# KiCad board AMLDC-2044B p3.kicad_pcb (continued)
## Routing (per net, layer and track width the routed paths; a pad name or vN(x,y) marks a point on that pad's centre or on a via; arc(x,y) is an arc through that point) (continued)
K6p7: length 5.6
  Top w0.15: UK6.7 358.16,206.43 358.52,205.48 358.68,205.1 358.71,205.1 358.85,204.76 359.19,204.18 359.5,203.4 360.03,202.66 360.38,201.64
K6p14: length 5.9
  Top w0.15: UK6.14 348.21,215.52 348.33,215.86 348.68,216.52 348.88,216.73 349.28,217.08 349.61,217.14 350.58,217.22 351.61,217.22 351.88,216.94
K6p15: length 2.7
  Top w0.15: 345.53,216.94 345.67,216.8 UK6.15
K7p2: length 12.6
  Top w0.15: UK7.2 382.22,206.72 382.26,207.34 382.07,208.19 381.79,209.36 381.67,210.7 381.13,212.86 381.13,214.99 381.32,216.23 381.25,218.44 v1(381.06,218.63)
K7p9: length 33.1
  Top w0.15: 394.62,181.04 393.93,188.57 393.65,192.82 393.45,195.84 393.28,197.54 393.34,200.14 393.37,201.62 393.49,203.37 393.54,209.52 393.34,211.29 393.25,212.07 392.79,212.97 UK7.9
K7p12: length 7.7
  Top w0.15: 390.77,209.8 390.76,209.82 v1(390.76,209.85) 390.72,209.85 390.43,210.14 389.84,210.47 389.35,210.55 388.87,210.88 387.88,211.13 387.08,211.68 386.27,212.07 384.76,213.23 UK7.12
K7p13: length 9.3
  Top w0.15: 387.3,206.24 386.61,208.02 385.66,209.22 385.17,209.81 384.25,210.63 383.65,211.41 383.44,211.76 382.97,212.58 UK7.13
K8p1: length 54
  Top w0.15: UK8.1 416.31,205.08 416.49,204.07 416.55,203.2 416.83,200.75 417.02,199.43 417.29,198.01 417.74,195.4 418.12,194.15 418.48,192.81 418.73,191.68 419.08,190.47 419.89,187.21 420.4,184.75 420.82,183.48 421.16,181.52 421.75,179.65 422.3,177.52 422.83,175.84 423.23,173.94 423.4,173.05 423.55,172.32 424.47,169.18 424.56,168.41 424.75,167.73 424.71,167.75 424.96,166.93 425.33,165.92 425.2,165.43 425.2,164.6 425.82,163.66 426.35,162.64 427.04,162.11 427.51,161.9 428.42,161.46 429.07,161.34 430.2,161.26 431.48,161.79 432.28,162.89 432.82,164.6
K8p4: length 55.2
  Top w0.15: UK8.4 423.79,204.65 423.95,201.83 424.01,200.55 424.47,191.84 424.8,189.56 424.89,187.28 424.87,186.96 425.09,184.23 425.28,182.76 425.44,180.66 425.9,176.83 426.44,175.5 427.21,173.94 427.97,172.86 428.42,172.33 429.22,171.46 430.62,169.78 431.21,169.16 432.18,168.1 433.11,167.25 433.44,166.75 433.89,166.05 434.28,164.69 433.91,162.79 433.3,161.94 432.94,161.42 432.15,160.45 431.29,160.06 430.12,159.45 429.48,159.11 428.8,158.38 427.74,156.98
K8p13: length 5.3
  Top w0.15: UK8.13 418.45,212.69 418.3,212.11 418.11,211.22 417.96,210.79 417.51,209.58 417.23,209.06 417.23,209.06 v1(417.25,209.04) 417.23,209.02 417.23,208.88
L0p3: length 80.9
  Top w0.25: UL0.3 119.13,168.84 119.18,162.48 119.89,160.6 120.24,158.9 120.3,158.84 UM0.3 119.34,155.35 115.89,153.37 113.8,151.12 UN0.13 113.75,146.62 114.38,144.23 114.25,142.06 114.25,137.05 114.41,134.83 114.28,133.19 114.36,118.86 114.36,117.38 114.91,116.58 UP0.3 114.44,110.97 114.52,101.8 114.57,100.16 UR0.3
L0p6: length 80.1
  Top w0.25: UL0.6 127.71,171.91 126.74,168.24 126.8,162.42 126.96,161.61 127.26,160.18 127.92,158.54 UM0.6 127.41,155.18 122.41,150.75 122.18,150.45 121.87,149.65 121.58,143.63 120.82,141.85 UN0.5 121.69,136.59 121.99,133.56 121.88,118.43 122.45,117.05 UP0.6 122.41,111.83 121.8,109.06 121.83,109.03 121.83,101.99 122.14,100.2 UR0.6
L0p8: length 80.6
  Top w0.25: UR0.8 124.63,109.66 124.38,112.74 124.38,119.47 UP0.8 124.6,131.32 124.28,134.43 124.31,145.56 UN0.9 123,150.03 124.6,151.41 125.85,152.39 127.96,153.99 129.28,155.88 129.34,158.91 129.3,162.11 129.61,163.41 129.93,164.13 UM0.8 130.06,167.68 129.38,169.99 129.44,176.79 129.41,178.96 UL0.8
L0p10: length 7.6
  Top w0.25: UL0.10 UL0.5
L0p11: length 78.8
  Top w0.25: UL0.11 122.33,179.33 122.01,177.53 121.78,175.52 121.88,169.17 122.35,167.88 122.65,166.48 122.84,166.29 UM0.11 122.18,163.55 121.91,162.97 121.68,162.6 121.72,155.99 121.71,155.98 121.11,154.06 118.05,149.73 UN0.11 117.35,146.42 116.83,144.65 116.68,141.99 116.79,132.91 116.85,132.85 116.95,127.3 118,123.79 UP0.11 116.88,120.63 116.9,110.81 117.03,110.25 117.2,108.66 117.9,106.89 UR0.11
L0p13: length 7.7
  Top w0.25: UL0.13 117.87,178.81 117.95,178.73 117.87,178.65 UL0.2
L1p3: length 33.6
  Top w0.15: UN1.2 151.03,142.02 151.35,142.41 151.39,143.49 151.85,144.85 152.1,147.65 152.21,149.3 152.21,152.13 152.57,153.89 152.96,155.04 UM1.3 152.82,159.06 152.46,160.06 152.28,161.03 152.18,162.18 152.18,162.97 152.2,167.97 152.28,168.96 152.57,170.75 152.86,171.72 UL1.3
L1p10: length 50.4
  Top w0.15: 161.37,139.08 161.34,139.17 ; 161.34,139.17 161.15,139.66 UN1.6 ; 161.34,139.17 161.72,138.64 162.39,138.26 163.14,138.27 163.26,138.29 163.64,138.44 ; 159.59,175.95 159.08,178.93 158.69,180.06 UL1.10 ; 163.64,138.44 163.51,138.4 ; 163.64,138.44 164.14,138.69 164.81,139.63 164.61,143.61 164.64,144.45 164.58,150.28 163.74,152.06 162.73,153.29 162.18,155.36 162.12,159.37 162.02,159.47 161.96,160.57 161.21,161.41 159.69,163.39 UM1.10 158.69,166.24 159.2,167.82 159.59,169.6 159.72,171.12 159.57,176.11
L1p11: length 42.1
  Top w0.15: 154.62,151.2 154.71,150.54 154.71,147.35 154.61,147.26 154.61,144.89 ; 154.61,151.13 154.69,153.78 154.61,154.36 154.83,156.83 154.74,156.93 154.74,158.89 154.54,159.24 154.51,159.31 154.51,161.6 155.05,163.07 155.81,165.02 155.33,167.06 154.94,168.02 154.76,170.5 154.69,170.57 154.69,175.56 154.58,175.66 154.69,176.2 154.76,178.39 155.58,180.36 UL1.11 ; 154.61,145.03 154.51,143.78 153.86,142.48 153.24,141.83 UN1.3
L2p3: length 30.9
  Top w0.15: 199.83,153.18 v1(199.7,153.14) 198.07,153.4 195,153.5 192.42,153.5 190.94,154.06 189.89,154.99 189.29,155.88 UM2.1 189.22,159.9 189.58,161.53 189.91,163.04 189.91,164.57 189.96,164.62 189.96,167.33 190.04,167.41 190.95,169.27 191.31,169.83 193.07,171.91 193.37,173.61 UL2.3
L2p11: length 19
  Top w0.15: 196.7,189.8 196.57,187.13 196.37,184.74 196.27,184.22 UL2.11 ; 200.03,198.95 v1(200,199.04) 198.26,197.31 198.26,197.22 196.99,194.67 196.69,189.61
L3p3: length 78.6
  Top w0.15: UL3.3 233.97,173.78 233.54,172.62 233.2,171.92 232.82,170.53 232.75,169.77 232.76,166.56 ; UR3.3 233.67,99.31 233.55,99.57 233.05,101.33 232.86,102.23 232.79,103.33 232.76,104.7 232.82,107.18 232.79,108.29 232.99,112.04 233.9,114.36 UP3.3 233.49,116.83 232.75,118.42 232.64,120.82 232.73,121.82 232.74,122.87 232.73,123.28 232.73,129.51 232.7,129.54 232.77,140.17 232.86,142.61 232.93,144.08 232.98,145.19 232.19,147.71 UN3.13 231.53,148.33 231.82,150.16 232.05,150.95 232.82,152.98 233.21,154.01 233.94,156.33 233.9,156.37 UM3.3 233.77,158.55 233.43,158.88 233.04,159.96 232.76,161.31 232.76,166.72
L3p6: length 79.2
  Top w0.15: UR3.6 241.68,97.46 241.27,98.61 241.15,98.97 240.51,102.13 240.4,103.18 240.28,104.52 240.15,108.4 240.1,109.76 240.37,111.88 240.75,113.4 UP3.6 241.62,116.03 241.07,117.02 240.54,118.81 240.28,119.84 240.11,122.4 240.19,122.81 240.25,132.56 240.29,134.28 240.21,136.66 239.92,137.5 239.75,138.46 239.45,139.24 UN3.5 239.36,142.08 239.61,142.87 239.91,143.73 240.27,144.64 240.34,144.89 240.25,145.94 240.21,147.93 240.28,149.82 240.28,149.47 240.26,153.9 240.89,155.74 UM3.6 241.52,158.09 240.88,158.52 240.37,160.29 240.34,160.31 240.27,163.04 240.18,164.09 240.28,165.75 240.22,167.33 240.21,170.36 240.97,172.32 UL3.6
L3p8: length 78.2
  Top w0.15: UR3.8 243.89,106.9 243.13,109.81 243.06,110.82 242.93,111.32 242.85,113.93 242.67,119.58 243.24,121.33 UP3.8 243.58,126.31 243.34,128.23 243,131.42 242.98,133.25 242.92,135.04 242.82,135.76 242.81,139.3 242.74,140.17 242.76,144.88 242.01,147.14 UN3.9 241.56,149.59 241.76,150.13 242.01,150.87 242.67,154.16 242.76,156.91 242.77,158.5 242.73,159.72 242.76,160.53 242.71,160.95 243.27,162.87 UM3.8 244.06,165.64 243.31,166.49 243.04,168.19 242.73,169.17 242.8,170.83 242.83,172.08 242.88,172.13 242.83,177.84 243.43,179.77 UL3.8
L3p10: length 7.6
  Top w0.15: UL3.5 239.07,179.36 239.05,179.39 239.07,179.41 UL3.10
L3p11: length 78.2
  Top w0.15: UR3.11 236.54,106.5 236.34,106.97 235.99,108.24 235.7,109.65 235.41,111.59 235.31,112.78 235.26,119.55 235.9,121.9 UP3.11 236.33,124.63 236.16,124.95 235.73,129.47 235.6,130.27 235.51,133.05 235.45,133.93 235.34,138.95 235.25,143.99 235.39,145.65 UN3.11 236.48,149.69 236.15,150.11 235.69,152.21 235.26,153.92 235.3,159.74 235.34,160.39 235.34,161.76 235.97,163.66 UM3.11 236.22,165.08 236.22,166.07 235.38,167.64 235.24,169.31 235.27,171.06 235.28,178.35 235.6,179.85 235.9,180.71 UL3.11
L3p13: length 7.7
  Top w0.15: UL3.2 231.71,176.23 231.57,179.55 231.71,181.18 UL3.13
L4p3: length 59.2
  Top w0.15: 264.12,123.51 264.04,126.04 263.9,126.27 263.67,128.91 263.24,131.04 263.13,133.4 263.2,134.79 263.32,135.38 263.56,136.71 263.76,137.56 263.9,140.47 UN4.2 263.83,141.4 264.92,143.14 265.1,144.86 265.15,145.6 265.19,146.41 265.23,150.94 265.18,151.41 265.21,151.95 265.37,153.6 266.06,155.51 UM4.3 266.69,157.78 266.53,158.68 267.56,161.94 267.57,166.14 267.74,166.31 267.69,167.34 267.63,167.6 267.63,170.55 267.75,171.24 268.11,174.26 267.49,176.85 267.08,178.22 266.6,180.42 UL4.3
L4p4: length 74.8
  Top w0.15: UL4.4 269.37,179 269.52,178.55 269.82,175.91 270.02,174.86 270.15,168.95 270.17,168.93 270.17,166.18 270.19,166.16 270.19,165.75 ; UN4.7 276.03,141.77 275.71,142.95 274.05,144.62 274.05,144.84 273.78,144.56 273.43,144.56 272.92,143.79 272.74,142.54 272.79,142.24 272.7,142.11 272.62,140.74 272.72,137.84 272.7,137.82 273.02,135.63 273.5,132.73 274.1,130.82 274.53,128.46 274.7,127.66 275,125.97 275.13,125.32 275.13,123.71 275.06,123.65 275.19,122.96 275.21,119.8 274.81,118.47 274.61,117.76 274.25,116.78 274.18,115.49 UP4.6 ; 270.19,166.07 270.1,165.49 270.17,162.81 269.52,159.57 269.22,158.26 UM4.4 269.44,156.11 269.82,155.7 271.33,153.77 271.91,152.81 272.47,151.58 272.64,148.85 272.57,148.58 272.68,147.22 273.28,145.89 273.37,145.53 273.93,144.71
L4p10: length 75.2
  Top w0.15: 274.44,136.32 274.01,139.17 UN4.6 ; UL4.10 272.22,187.22 272.36,186.62 272.7,185.57 272.7,177.85 272.52,175.06 272.42,172.1 272.18,170.29 272.13,168.72 271.74,166.69 UM4.10 272.06,163.97 272.82,163.33 274.02,162.1 275.07,160.08 275.12,154.55 275.12,148.17 275.09,148.14 275.16,146.07 275.68,145.13 277.36,143.83 277.8,142.66 277.74,139.91 277.68,138.85 277.68,138.75 276.95,137.6 275.41,137.04 274.55,136.59 274.48,136.27 274.69,135.04 275.09,131.27 275.52,128.88 275.86,126.38 276.03,125.78 276.15,124.97 276.42,124.39 UP4.10
L4p11: length 49.2
  Top w0.15: UL4.11 268.84,187.69 268.38,186.7 267.96,184.99 267.85,183.95 267.85,183.26 267.91,178.96 268.35,177.48 268.87,175.45 269.06,174.48 269.15,173.05 269.12,173.03 269.26,171.73 269.34,170.94 269.26,170.4 269.1,167.34 268.69,165.97 UM4.11 268.91,163.97 268.82,162.84 268.37,161.38 268.07,160.18 267.89,159.58 267.72,159.08 267.68,158.77 267.47,156.53 267.72,154.43 267.75,152.51 267.75,147.13 267.72,146.56 267.51,144.84 267.22,143.69 267.12,143.05 266.66,141.93 UN4.3
L4p12: length 5
  Top w0.15: 266.42,193.86 266.45,193.83 266.45,193.79 v1(266.42,193.76) 266.45,193.73 UL4.12
L4p13: length 42.4
  Top w0.15: UM4.13 263.89,165.14 264.38,168.25 264.65,169.69 264.85,170.94 265.29,172.79 265.62,174.97 265.77,175.96 265.67,177.57 265.3,179.14 265.3,184.78 265.2,185.86 265.1,186.46 264.74,187.54 UL4.13 263.91,206.23 263.91,206.23 v1(263.91,206.37) 263.77,206.37 263.7,206.44
L6p12: length 37.2
  Top w0.15: 345.52,173.47 345.91,174.58 346.47,176.21 346.75,176.85 346.99,177.8 347.17,178.23 347.44,178.98 347.82,179.79 347.84,180.87 UL6.12 348.06,182.35 348.23,183 348.25,183.7 348.43,184.51 348.48,185.44 348.62,186.76 348.65,187.06 348.69,187.53 348.84,188.51 348.97,189.4 349.08,190.23 349.19,190.6 349.3,191.18 349.33,192.13 349.44,193.2 349.35,193.93 349.52,194.1 ; 349.52,194.1 349.57,194.15 v1(349.52,194.15) 349.52,194.1 ; 354.5,177.4 353.99,177.58 348.37,177.75 347.91,177.72 346.95,177.67 ; 354.5,177.4 354.35,177 354.16,176.43 353.84,175.78 353.61,174.98 353.41,174.77 353.26,174.3 353.14,173.47 ; 354.5,177.4 354.7,177.97 354.91,178.59 354.96,178.91 355.09,179.3 355.36,179.94 355.45,180.27 355.68,181.09
L7p1: length 17.9
  Top w0.15: UL7.1 379.73,172.01 379.99,171.06 380.49,169.61 381.02,168.57 381.47,167.31 382.1,166.09 382.38,164.92 381.87,164.41 381.9,163.37 380.91,160.53 380.56,159.45 380.34,158.86 380.34,158.77 380.11,158.23 379.33,156.79
L7p6: length 26.6
  Top w0.15: UL7.6 391.95,171.91 391.53,171.12 391.51,170.53 391.3,169.61 390.75,168.23 390.69,167.52 390.69,160.8 390.59,160.27 390.77,156.6 390.57,156.37 390.29,155.31 389.84,154.32 389.59,153.57 389.25,152.96 388.72,152.03 387.94,150.72 387.62,150 387.13,148.93 386.95,147.94
L7p10: length 16.8
  Top w0.15: 389.63,197.77 389.61,197.74 389.61,197.64 v1(389.66,197.59) 389.61,197.53 389.61,182.51 389.54,182.45 UL7.10
L7p11: length 14.6
  Top w0.15: UL7.11 387,182.5 387.23,182.73 387.23,195.34 v1(387.18,195.4) 387.23,195.45 387.23,195.47
L7p12: length 25.2
  Top w0.15: UL7.12 384.75,182.22 384.72,182.89 384.76,206.24
L7p13: length 11.3
  Top w0.15: UL7.13 382.24,182.73 382.72,184.31 382.72,184.84 382.85,186.42 383.03,187.71 382.95,189.03 v1(383.01,192.1) 383.11,192.12
M0p10: length 7.6
  Top w0.25: UM0.10 UM0.5
M0p13: length 7.6
  Top w0.25: UM0.2 118.01,159.39 117.95,163.3 UM0.13
M2p2: length 12.7
  Top w0.15: UM2.2 191.76,155.77 192.34,155.37 193.14,154.99 195.12,154.71 195.85,154.78 197.15,154.77 200.13,154.93 200.78,154.92 201.62,154.6 v1(202.38,154.32) 202.48,154.23
M3p10: length 7.7
  Top w0.15: UM3.5 238.98,163.24 239.04,163.3 238.98,163.36 UM3.10
M3p13: length 7.6
  Top w0.15: UM3.2 231.49,162.45 231.44,163.49 231.49,163.84 UM3.13
M5p5: length 12.4
  Top w0.15: UM5.5 308.97,156.94 309.12,156.23 309.46,155.43 309.55,155.23 309.81,154.91 310.53,154.12 310.96,153.78 311.22,153.55 312.08,152.87 312.72,152.41 313.55,151.89 313.94,151.57 314.54,151.03 314.79,150.78 315.28,150.23 315.39,150.11 315.97,149.5 316.12,148.58 316.56,148.14
M6p8: length 23.3
  Top w0.15: 345.47,148.09 345.66,149.26 346.49,150.73 347.52,151.04 347.77,151.12 348.83,151.27 349.83,151.47 350.51,151.74 351.13,152.13 351.29,152.59 351.45,153.09 351.68,153.9 351.86,155.29 351.95,159.14 352.45,160.04 352.71,160.41 353.35,161.14 353.92,161.55 354.95,161.95 356.46,163.04 356.95,163.46 UM6.8
M6p12: length 28.5
  Top w0.15: 343.6,191.51 343.64,191.48 v1(343.64,191.4) 343.71,191.4 343.86,190.85 344.29,188.97 344.48,188.16 344.64,187.59 344.66,186.6 344.63,185.9 344.63,183.23 344.44,183.03 344.44,182.09 344.44,182.08 344.44,178.09 344.52,175.57 344.55,175.64 344.22,175.35 344.55,171.62 344.6,171 344.87,170.48 345.19,169.8 345.46,169.43 346.02,168.59 346.54,167.87 346.97,167.35 347.69,166.17 347.89,165.72 UM6.12
M7p3: length 39.7
  Top w0.15: UM7.3 385.17,158.33 385.63,159.3 385.88,160.38 386.08,160.79 386.41,162.25 386.8,163 386.95,164.41 386.95,165.95 386.78,166.4 386.61,166.86 386.32,168.5 385.91,169.86 385.66,170.44 385.47,171.46 384.46,173.42 384.23,173.65 384.06,174.58 383.23,175.69 382.96,176.1 381.97,177.34 381.62,177.98 380.77,179.58 380.77,182.06 380.97,182.26 380.97,182.84 381.05,182.92 381.05,193.93 381.09,193.97 v1(381.19,193.97) 381.19,194.07 381.12,194
M7p6: length 9.3
  Top w0.15: UM7.6 392.03,155.84 391.82,155.41 391.52,154.83 390.82,152.68 390.39,151.33 390.05,150.49 389.77,149.81 389.49,149.05 389.49,147.94
M7p8: length 17
  Top w0.15: UM7.8 394,163.13 393.59,162.12 393.41,161.49 393.19,161.05 393.07,160.39 392.95,158.98 393.03,158.22 393.18,155.81 393.04,154.47 393.07,153.5 393.04,152.47 392.73,151.42 392.47,150.61 392.03,149.54 392.03,147.94
N0p2: length 13.7
  Top w0.25: 111.88,154.02 111.85,153.99 v1(111.72,153.99) 111.72,153.86 111.71,153.85 111.7,143.77 112.76,141.98 UN0.2
N0p4: length 25.6
  Top w0.25: UN0.4 118.24,138.48 118.89,136.17 119.76,129.51 120.1,127.35 UP0.10 UP0.5
N1p4: length 13.8
  Top w0.15: 156.26,154.4 v1(156.23,154.4) 156.17,152.13 156.08,151.01 155.99,150.25 155.77,149.52 155.78,149.5 UN1.13 155.83,147.28 155.9,145.43 155.93,141.91 UN1.4
N1p7: length 36.1
  Top w0.15: UN1.7 162.75,142.28 162.31,142.78 162.14,143.09 161.43,143.7 160.91,144.28 159.89,145.09 159.77,146.29 159.46,152.05 ; 159.39,152.11 158.76,153.45 158.49,154.08 157.61,155.25 157.09,155.97 UM1.4 156.78,160.36 157.22,161.97 157.31,162.95 157.24,163.54 157.11,166.46 157.11,168.07 157.15,168.11 157.15,170.28 156.82,171.65 156.47,172.57 155.81,173.4 UL1.4
N2p5: length 19.6
  Top w0.15: UP2.14 191.55,124.16 191.71,124.96 192.09,126.34 193.6,129.25 C69.1 195.01,132.6 195.48,133.37 196.73,136.37 197.97,138.56 UN2.5
N2p9: length 51.4
  Top w0.15: 205.08,104.35 205.04,104.39 ; 205.04,104.39 205.04,101.23 204.72,100.59 204.37,99.55 203.79,98.28 UR2.7 ; 205.04,104.39 205.04,113.04 205.11,113.11 205.11,119.21 205.08,119.24 205.08,129.66 205.18,140.62 205.18,145.18 205.9,147.19 UN2.9
N2p10: length 52.6
  Top w0.15: UN2.10 203.35,147.56 202.91,146.03 202.61,144.83 202.49,142.83 202.51,142.74 202.58,136.58 202.7,136.46 202.63,136.39 202.56,131.41 201.68,129.75 201.05,128.45 199.99,126.41 200.01,124.49 199.85,123.72 199.9,123.68 199.9,116.1 199.85,116.06 199.94,115.96 200.13,113.37 201.12,111.14 201.86,109.45 202.49,107.09 202.49,102.13 202.35,101.16 202.1,100.14 201.72,99.06 201.25,98.37 UR2.6
N2p13: length 7.8
  Top w0.15: UN2.4 196.37,143.03 196.2,143.21 196.2,148.17 UN2.13
N2p15: length 52.2
  Top w0.15: UN2.15 191.91,147.17 192.42,143.84 192.53,143.26 192.56,138.87 192.31,137.76 192.07,136.3 190.72,132.87 189.67,128.44 189.24,126.05 189.22,121.3 189.33,115.31 190.31,113.04 190.79,111.77 191.69,110.13 192.39,107.36 192.51,106.28 192.58,103.75 192.6,103.51 192.79,100.56 193.35,99.26 193.51,97.68 UR2.3
N2p16: length 51.9
  Top w0.15: UN2.16 189.13,147.45 189.92,145.43 190.23,141.9 190.18,141.85 190.18,138.94 190.23,138.89 190.1,137.55 190.02,136.45 189.21,134.15 188.53,131.98 188.27,126.95 188.22,125.41 188.22,120.72 188.29,120.64 188.19,120.54 188.24,112.79 189.11,110.25 189.65,109.07 190,108 189.97,105.54 190,103.97 190,100.7 190.65,98.95 UR2.2
N3p1: length 13.3
  Top w0.15: 229.38,153.03 v1(229.27,153.14) 229.61,151.83 229.89,150.95 230.01,150.1 230.18,149.16 230.23,144.35 230.21,143.69 229.98,143.01 228.86,141.66 UN3.1
N4p12: length 52.3
  Top w0.15: UP4.2 264.24,115.7 264.31,116.8 264.73,118.19 265.15,119.17 265.41,119.53 265.41,120.18 265.99,121.33 UP4.14 266.26,123.76 266.06,124.36 266.03,125.81 265.97,126.12 265.77,128.37 265.7,128.75 265.4,129.95 265.28,131.1 C55.2 265.99,132.86 266.56,133.25 267.84,134.32 269.19,135.73 269.54,136.43 270.16,137.57 270.26,140.95 270.31,140.99 270.44,145.15 271.26,147.21 271.33,148.03 UN4.12 ; 272.53,118.29 271.96,117.17 271.67,115.52 UP4.5 ; 272.45,118.16 272.56,118.34 272.87,119.1 272.87,119.03 272.87,119.66 ; 272.87,119.66 273.23,120.33 273.41,120.98 273.44,121.14 273.66,121.43 273.84,121.82 273.99,122.68 UP4.11 ; 272.87,119.66 272.69,119.83 270.35,119.83 269.93,119.81 269.6,119.79 268.29,119.84 267.91,119.8 267.16,119.76 266.4,119.79 266.24,119.8 265.41,119.82
N4p13: length 7.9
  Top w0.15: UN4.4 269.1,140.73 269.2,145.44 ; 269.22,145.27 UN4.13
N5p1: length 13.7
  Top w0.15: UN5.1 299.1,141.65 299.31,142.33 299.56,143.15 299.66,143.88 299.85,144.87 300.15,147.41 300.01,151.43 v1(300.05,153.86) 300.05,153.95 300.11,153.89
N5p2: length 57.2
  Top w0.15: 313.67,104.94 313.54,106.57 313.4,107.27 313.38,107.75 v1(313.39,108.95) 313.45,109.01 312.44,110.68 312.51,112.41 312.57,117.5 312.39,118.22 312.52,120.13 312.55,128.85 312.47,129.53 312.37,132 311.93,132.92 311.85,133.07 311.22,133.96 310.76,134.36 309.46,135.3 306.44,136.6 305.99,136.73 304.07,137.34 303.73,137.47 302.51,138.22 301.95,138.76 301.7,139.43 301.53,140.31 UN5.2 301.32,141.24 302.58,142.35 302.89,142.61 303.41,142.93 304.19,143.26 305.12,143.51 305.54,143.66 306.07,143.75 307.36,143.78 ; 314.82,144.55 v1(314.82,144.58) 314.26,144.44 314.03,144.41 313.24,144.27 311.22,144.05 310.35,144.05 309.6,143.95 308.82,143.93 307.32,143.77
N5p10: length 18
  Top w0.15: UN5.10 313.53,148.63 313.38,149.37 312.91,149.96 312.81,150.24 312.33,150.71 311.91,150.91 311.47,151.23 310.63,151.57 309.2,152.32 308.36,152.95 307.94,153.67 307.86,153.91 307.49,155.17 307.44,159.28 307.58,160.04 307.86,160.45 308.58,160.56 309.24,160.47 309.56,160.19 309.84,159.77 v1(309.86,159.75) 309.89,159.77 309.96,159.77
N5p15: length 13.2
  Top w0.15: UN5.15 301.21,146.88 301.01,146.36 300.93,145.76 300.72,145.07 300.5,143.8 300.17,142.6 299.99,137.35 299.85,136.1 v1(299.85,135.18) 299.85,135.11 299.81,135.07
N6p10: length 11.1
  Top w0.15: 345.47,140.47 345.47,140.66 346.43,141.85 347.29,142.62 347.63,142.8 349.15,143.7 350.25,144.24 351.54,145.45 351.73,145.87 352.44,146.95 UN6.10
P0p13: length 7.6
  Top w0.25: UP0.13 UP0.2
P1p12: length 81.8
  Top w0.15: 151.94,72.24 152.29,72.02 153.12,71.06 UT1.12 153.09,69 153.37,68.68 152.44,66.3 152.26,65.47 151.9,64.38 151.47,63.21 151.01,62.47 UT1.2 ; 151.94,72.24 150.47,73.25 149.59,73.85 149.04,74.2 148.09,75.04 147.69,75.46 147.15,76.23 146.84,77.14 146.81,78.34 146.84,78.37 146.84,90.09 146.91,90.17 146.86,107.19 147.37,108.56 147.9,109.42 148.13,109.9 148.78,110.96 149.52,112.2 149.9,112.93 UP1.2 151.21,116.9 151.54,117.89 152.05,119.51 152.43,120.39 UP1.12 153.99,121.2 154.42,119.78 155.08,117.89 ; 151.94,72.24 152.23,71.95 ; 155.08,117.89 155.28,117.41 155.36,116.93 ; 155.08,117.89 162.04,117.89 v1(162.06,117.91) 162.09,117.89 162.21,117.89 ; 155.35,117 UP1.4
P1p13: length 64.8
  Top w0.15: UP1.13 149.6,119.63 148.69,117 148.76,116.53 UP1.1 147.85,112.25 146.92,110.61 146.5,109.3 145.78,107.06 145.53,103.94 145.5,94.28 145.65,82.87 145.6,79.98 ; UT1.1 148.68,63.05 148.89,63.64 149.04,64.21 149.35,64.87 149.59,65.45 149.96,66.33 150.37,67.75 150.76,68.42 UT1.13 150.79,70.47 150.58,70.91 149.72,71.84 148.8,72.47 146.83,73.73 146.24,74.66 145.88,75.21 145.51,77.21 145.58,78.36 145.57,79.32 145.6,79.98 ; 145.6,79.98 145.63,79.88
P2p3: length 14.3
  Top w0.15: 197.23,101.41 197.3,101.47 v1(197.3,101.51) 197.33,101.51 197.43,101.61 197.43,102.52 197.46,102.56 197.46,105.8 197.43,105.83 197.43,112.22 196.92,114.15 UP2.3
P2p5: length 10.5
  Top w0.15: UP2.5 201.82,113.53 202.78,111.98 203.33,109.75 203.56,109.22 UR2.10
P2p6: length 11.2
  Top w0.15: 202.55,125.98 v1(202.53,126.03) 202.58,117.41 202.74,116.96 203.02,116.57 203.26,116.15 203.7,115.36 UP2.6
P2p11: length 21.9
  Top w0.15: 197.68,114.42 197.45,115.81 197.49,115.85 197.49,120.14 197.76,120.77 UP2.11 ; 199.91,101.76 v1(199.91,102) 199.91,109.94 197.65,114.34
P2p13: length 15.1
  Top w0.15: UP2.13 194.15,121.66 194.52,120.24 194.93,119.22 v1(195,108.13) 195.06,107.96
P3p10: length 7.7
  Top w0.15: UP3.5 239.08,116.62 238.86,116.84 UP3.10
P3p13: length 63.1
  Top w0.15: UT3.13 231.8,67.74 231.94,63.62 UT3.2 ; UT3.13 231.68,68.42 ; UT3.13 231.56,70.3 231.29,71.47 230.97,72.71 230.62,74.02 230.38,74.8 230.4,74.81 230.4,74.89 v1(230.35,74.95) 230.4,75 230.4,78.88 230.12,79.16 230.12,79.5 ; 231.44,114.4 231.13,113.64 230.99,112.9 230.82,112.35 230.51,110.91 230.44,110.34 230.28,109.63 230.28,101.45 230.3,101.37 230.37,96.46 230.14,91.77 229.99,87.03 230.04,85.41 230.08,79.5 230.12,79.5 ; 231.44,114.4 UP3.2 231.55,119.73 231.53,121.45 231.46,122.33 UP3.13 ; 231.44,114.4 231.35,114.06 ; 230.12,79.5 230.14,79.48
P5p2: length 6.4
  Top w0.15: UP5.2 301.39,116.18 301.94,117.23 302.47,117.92 302.91,118.46 304.21,119.75 304.47,119.96 v1(304.76,120.37) 304.84,120.37 304.85,120.39
P5p9: length 6.9
  Top w0.15: UP5.9 311.29,123.92 311.27,124.24 310.97,129.2 311.08,129.6 v1(311.08,129.65) 311.04,129.65 311.11,129.58
P5p10: length 6.8
  Top w0.15: UP5.10 308.66,124.08 308.62,125.13 308.62,126.74 v1(308.54,129.58) 308.47,129.6
P5p12: length 6.9
  Top w0.15: UP5.12 303.81,124.26 303.94,124.8 303.84,126.52 303.74,127.04 303.66,127.87 303.66,129.6 v1(303.59,129.6) 303.59,129.67 303.64,129.62
P5p13: length 7
  Top w0.15: 301.05,129.88 301.05,129.74 v1(301.02,129.72) 301.05,129.69 301.2,125.48 301.32,124.43 301.27,124.24 UP5.13
P6p1: length 49.3
  Top w0.15: 342.91,119.11 342.89,119.13 v1(342.98,119.13) 342.98,119.05 343.18,118.85 343.18,116.12 342.88,115.83 UP6.1 342.88,114.18 343.24,113.65 343.4,112.5 343.63,111.37 344.03,108.92 344.26,108.07 344.31,107.07 344.3,106.1 344.3,101.69 344.17,101.41 344.1,100.93 343.79,99.35 343.57,98.46 343.44,98.08 343.24,97.27 342.93,95.89 343.52,94.84 343.87,94.08 343.89,93.34 344.18,92.26 344.25,91.99 344.25,89.1 344.3,87.5 344.25,86.26 344.21,85.33 343.95,84.12 343.66,82.72 343.53,81.32 342.88,80.67 343.37,79.42 343.67,78.81 343.9,78.03 344.2,77.31 344.31,71.43 344.28,71.39
P6p12: length 9.2
  Top w0.15: UP6.12 347.96,122.39 348.69,121.82 349.46,120.33 350.2,119.27 350.48,118.84 351.34,117.59 352.3,116.05 353.04,114.94
P7p3: length 50.1
  Top w0.15: 384.11,80.52 384.78,81.78 385.56,82.9 386.05,83.63 386.74,84.71 387.44,85.76 387.78,86.49 388.06,89.69 387.99,90.08 387.99,90.89 387.51,91.98 387.35,92.33 386.5,93.06 385.88,93.65 385.48,93.97 385.18,94.26 384.77,94.68 384.31,95.84 384.95,97.49 385.39,98.11 385.55,98.33 385.94,98.94 386.48,99.66 387.31,101.11 387.97,102.29 388.04,107.63 387.87,108.21 387.62,109.59 387.16,110.5 386.4,111.71 385.81,112.55 385.11,113.59 384.31,114.38 UP7.3 ; 384.11,80.52 384.11,81.13 ; 384.11,80.52 384.89,78.66 385.2,77.98 385.59,76.24 385.62,70.3 385.53,70.21
P7p11: length 21
  Top w0.15: 379.23,103.46 379.65,104.66 380.16,105.78 380.47,106.58 381.97,109.22 382.39,110.08 383.2,111.95 383.15,116.27 383.58,117.24 383.65,117.52 384.09,118.14 384.48,118.68 385.13,119.41 385.37,119.78 386.27,121.08 UP7.11